# Altium PCB PCB1.PcbDoc (part 1 of 2)
Units mil, origin at the board's own origin, x right, y up, seen from the top; angles counter-clockwise.
Board outline 3937.01 x 3937.01 mil, 4 copper layers (Top Layer, Layer 1, Layer 2, Bottom Layer), stack 23.756 mil thick; 233 components, 112 nets, 705 pads, 549 vias.
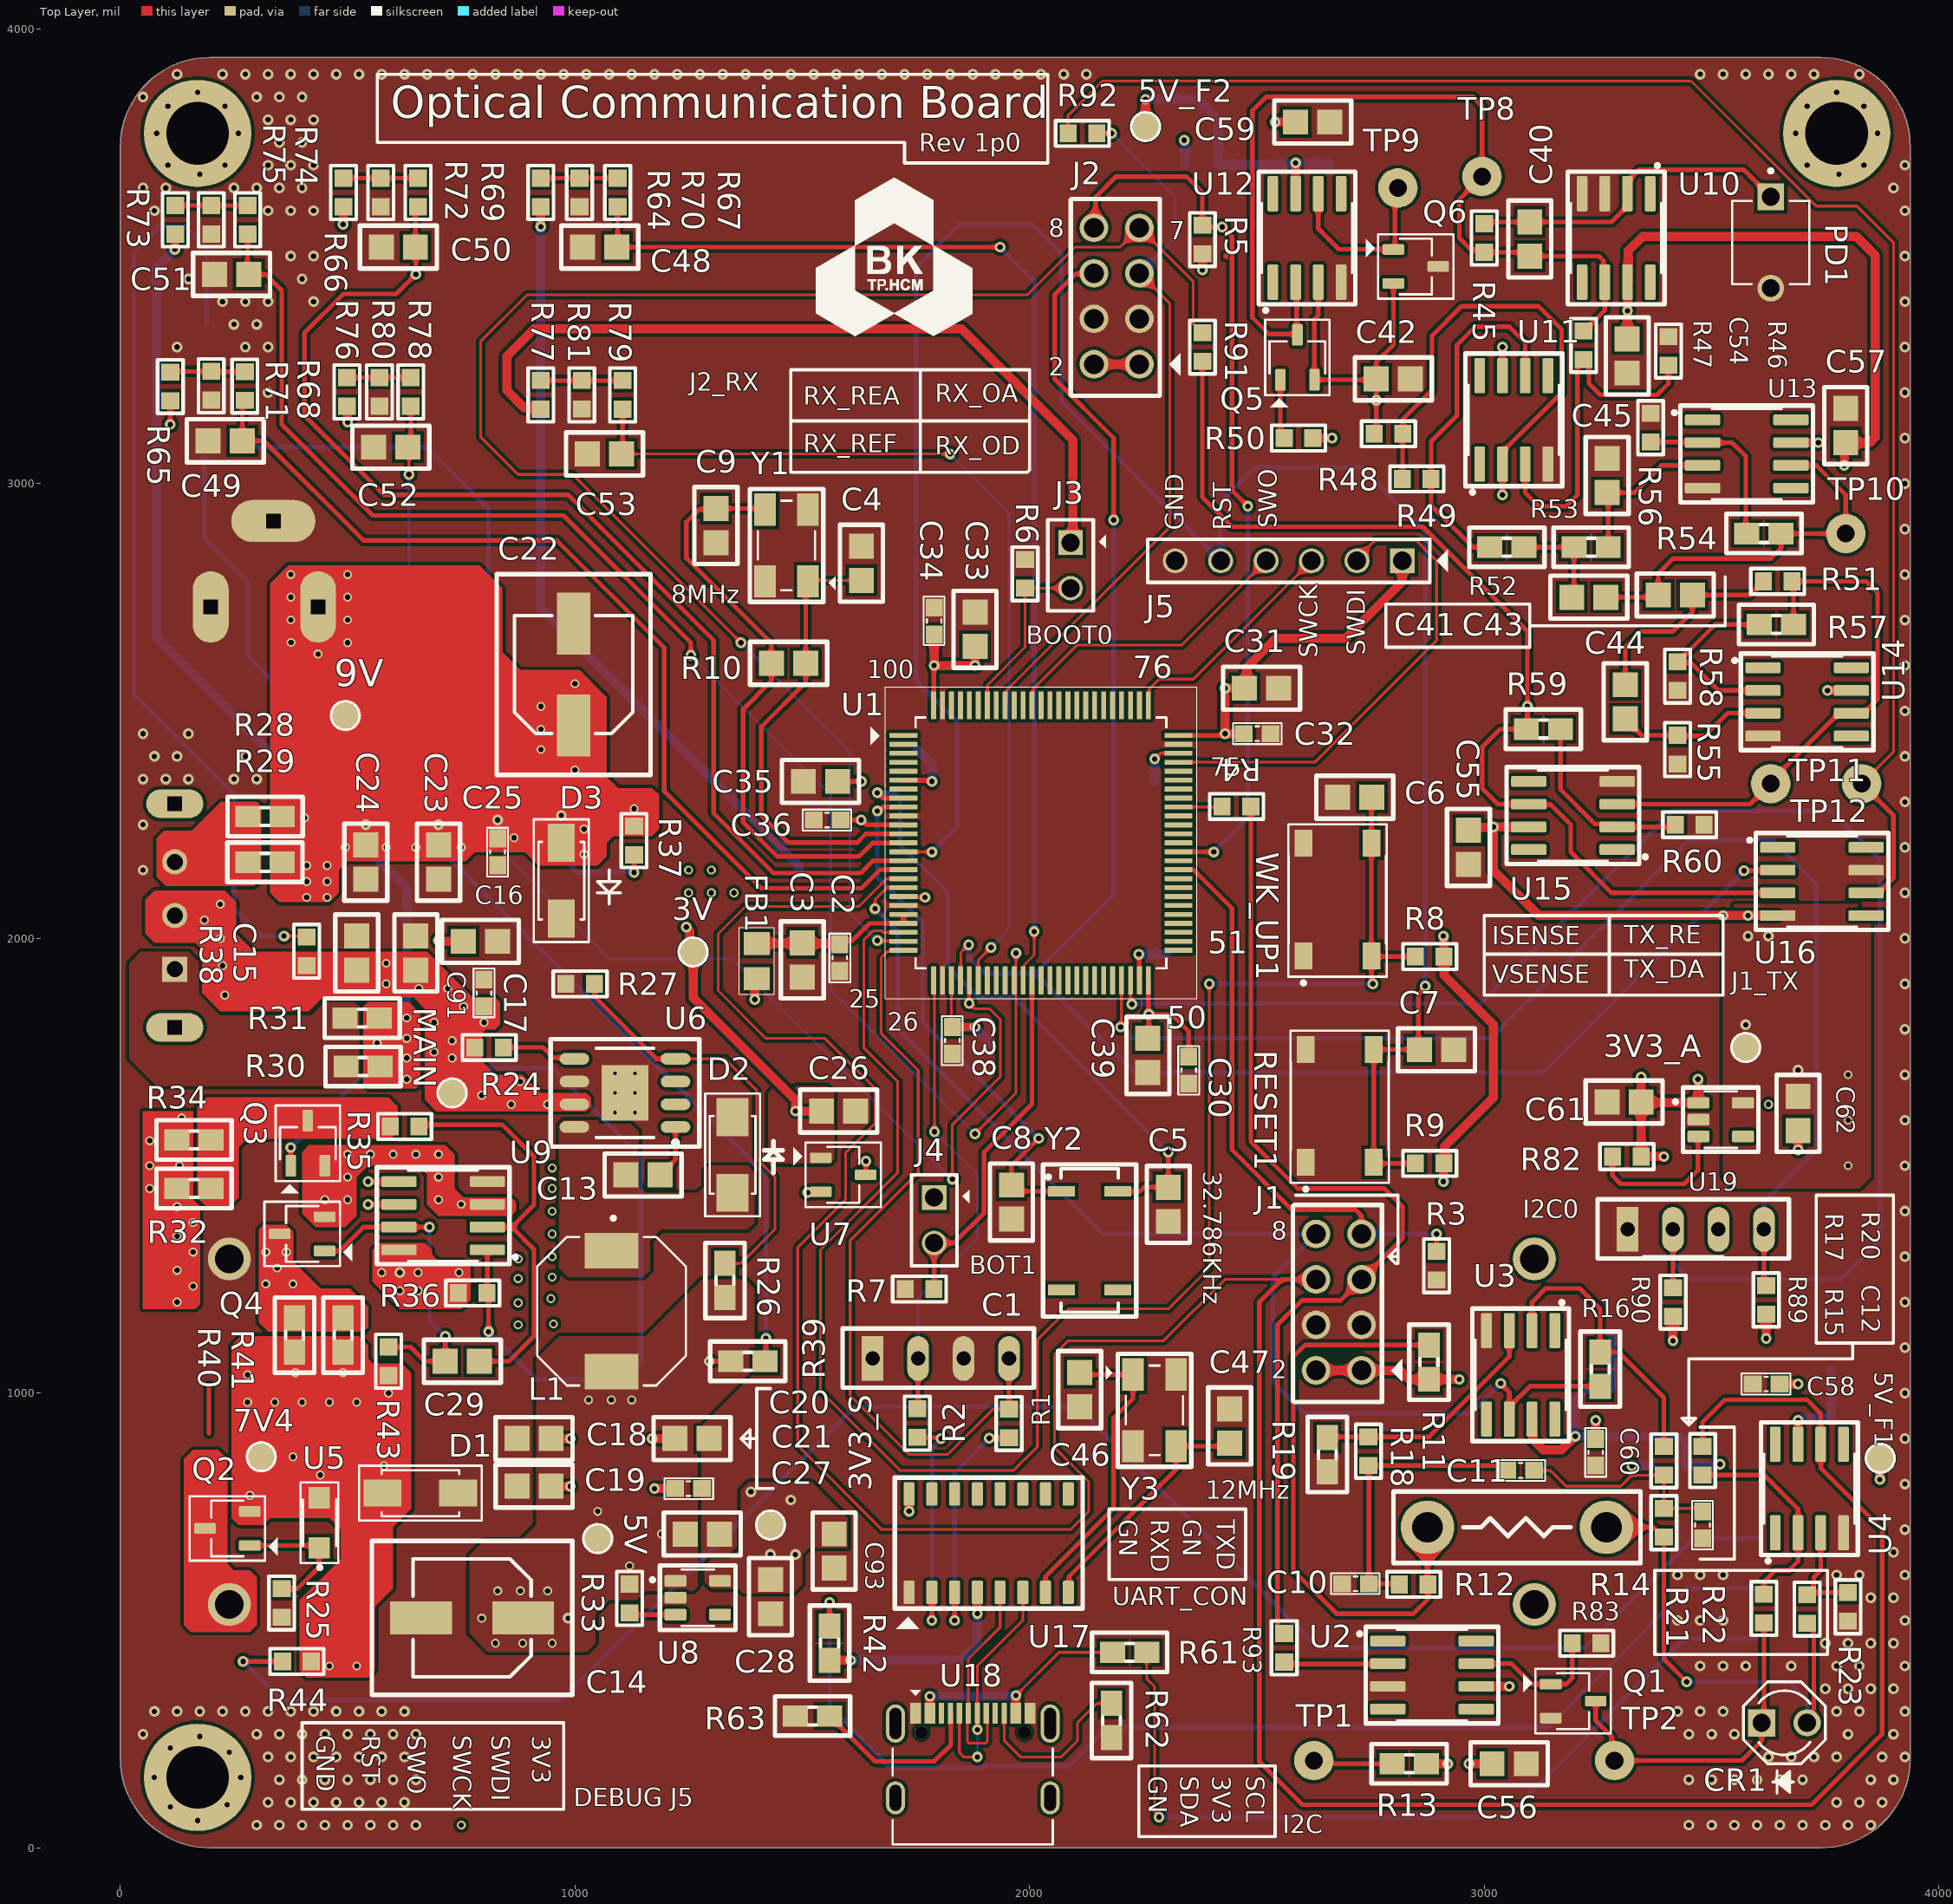
[diagram p0: Top Layer view]
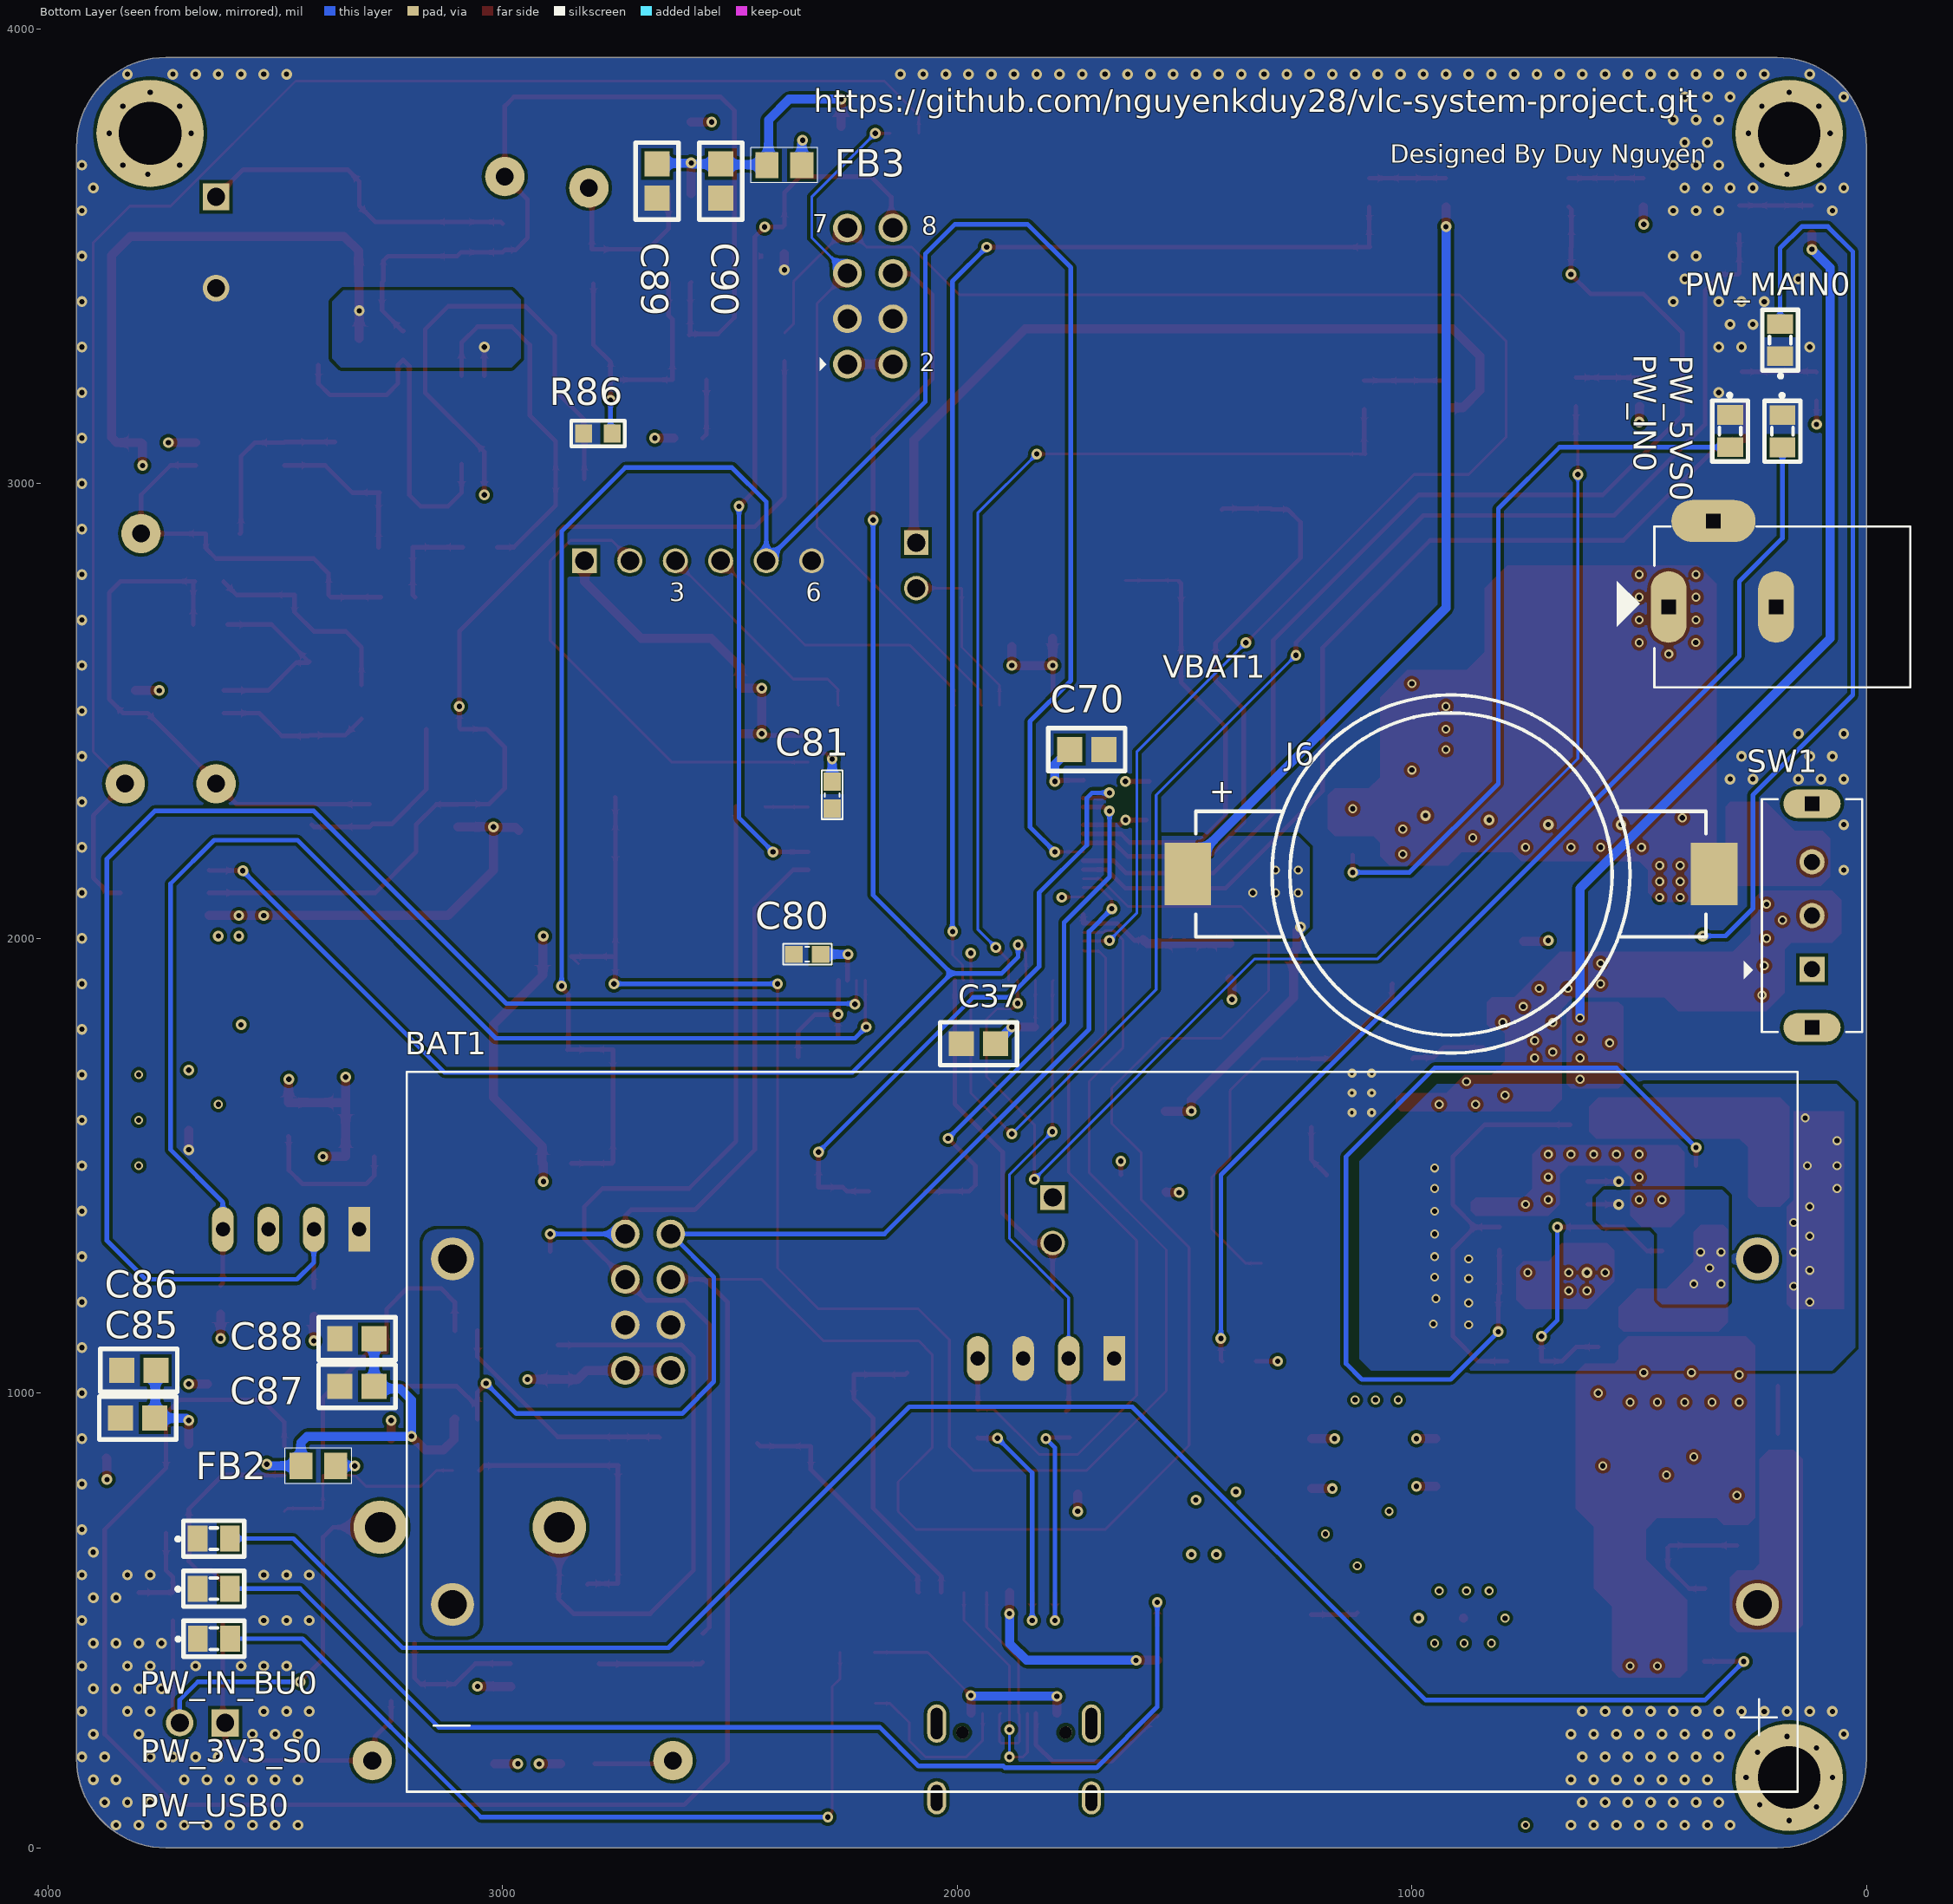
[diagram p1: Bottom Layer view, seen from below]
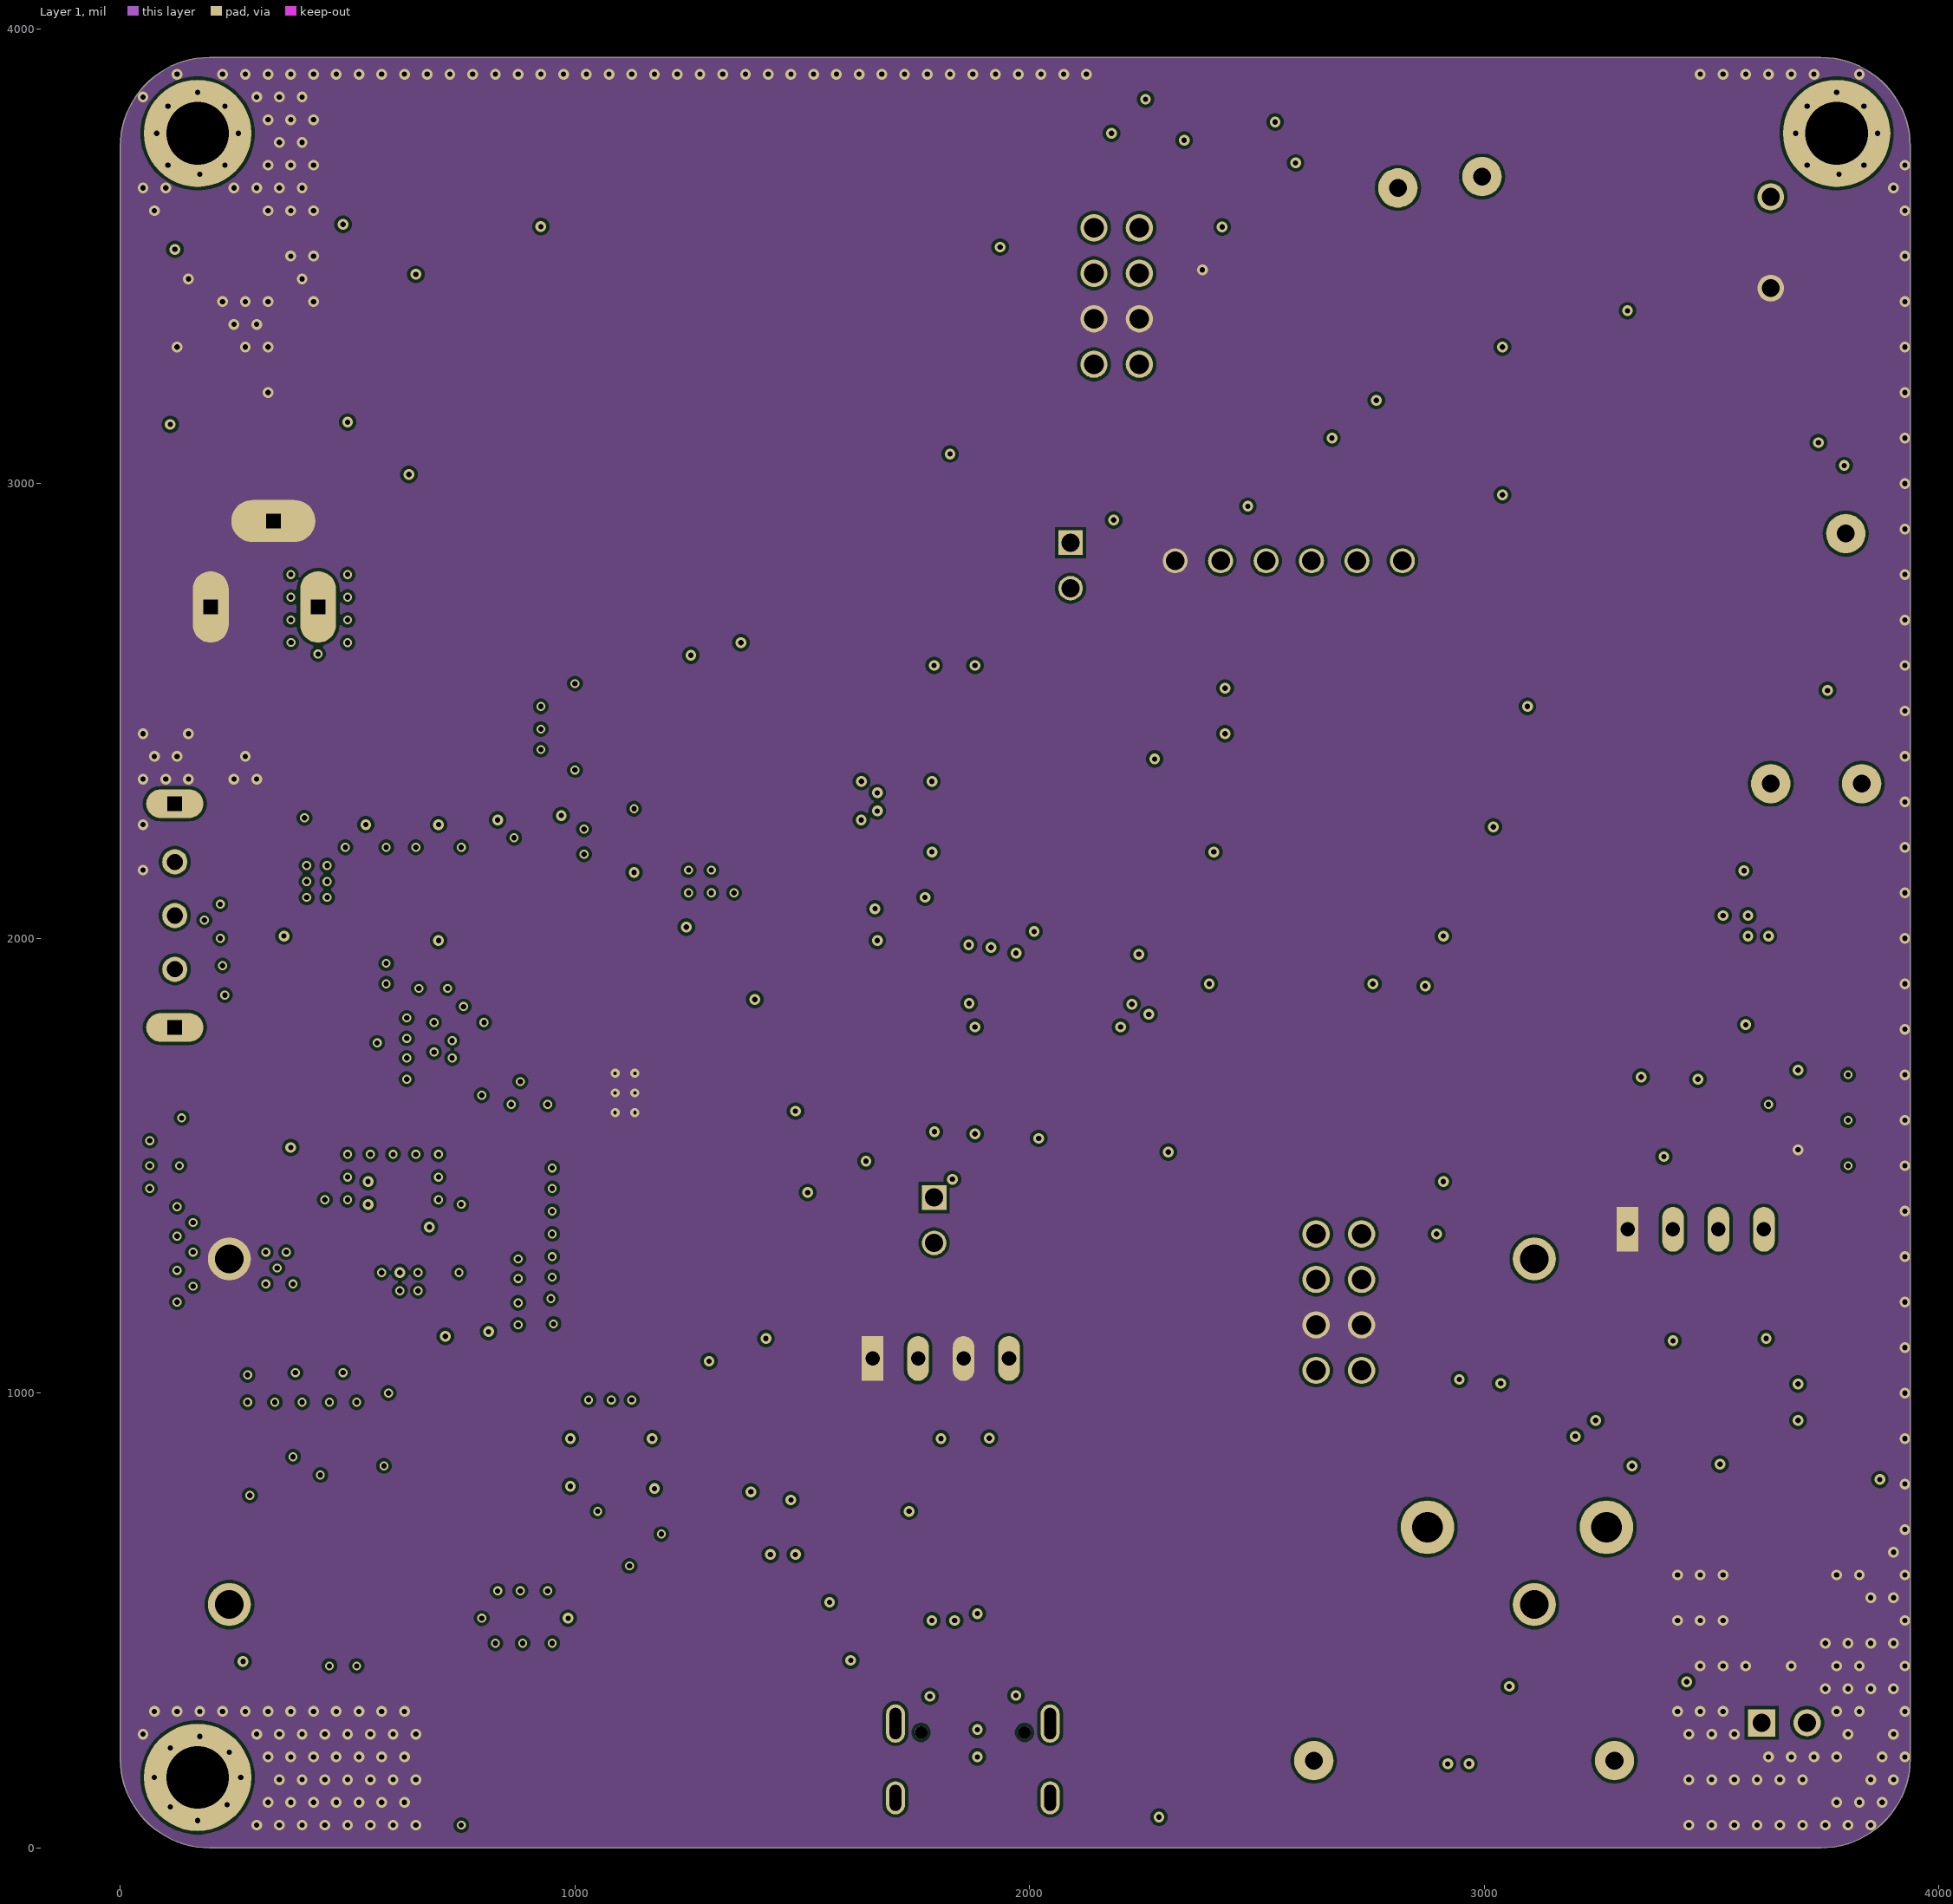
[diagram p2: Layer 1]
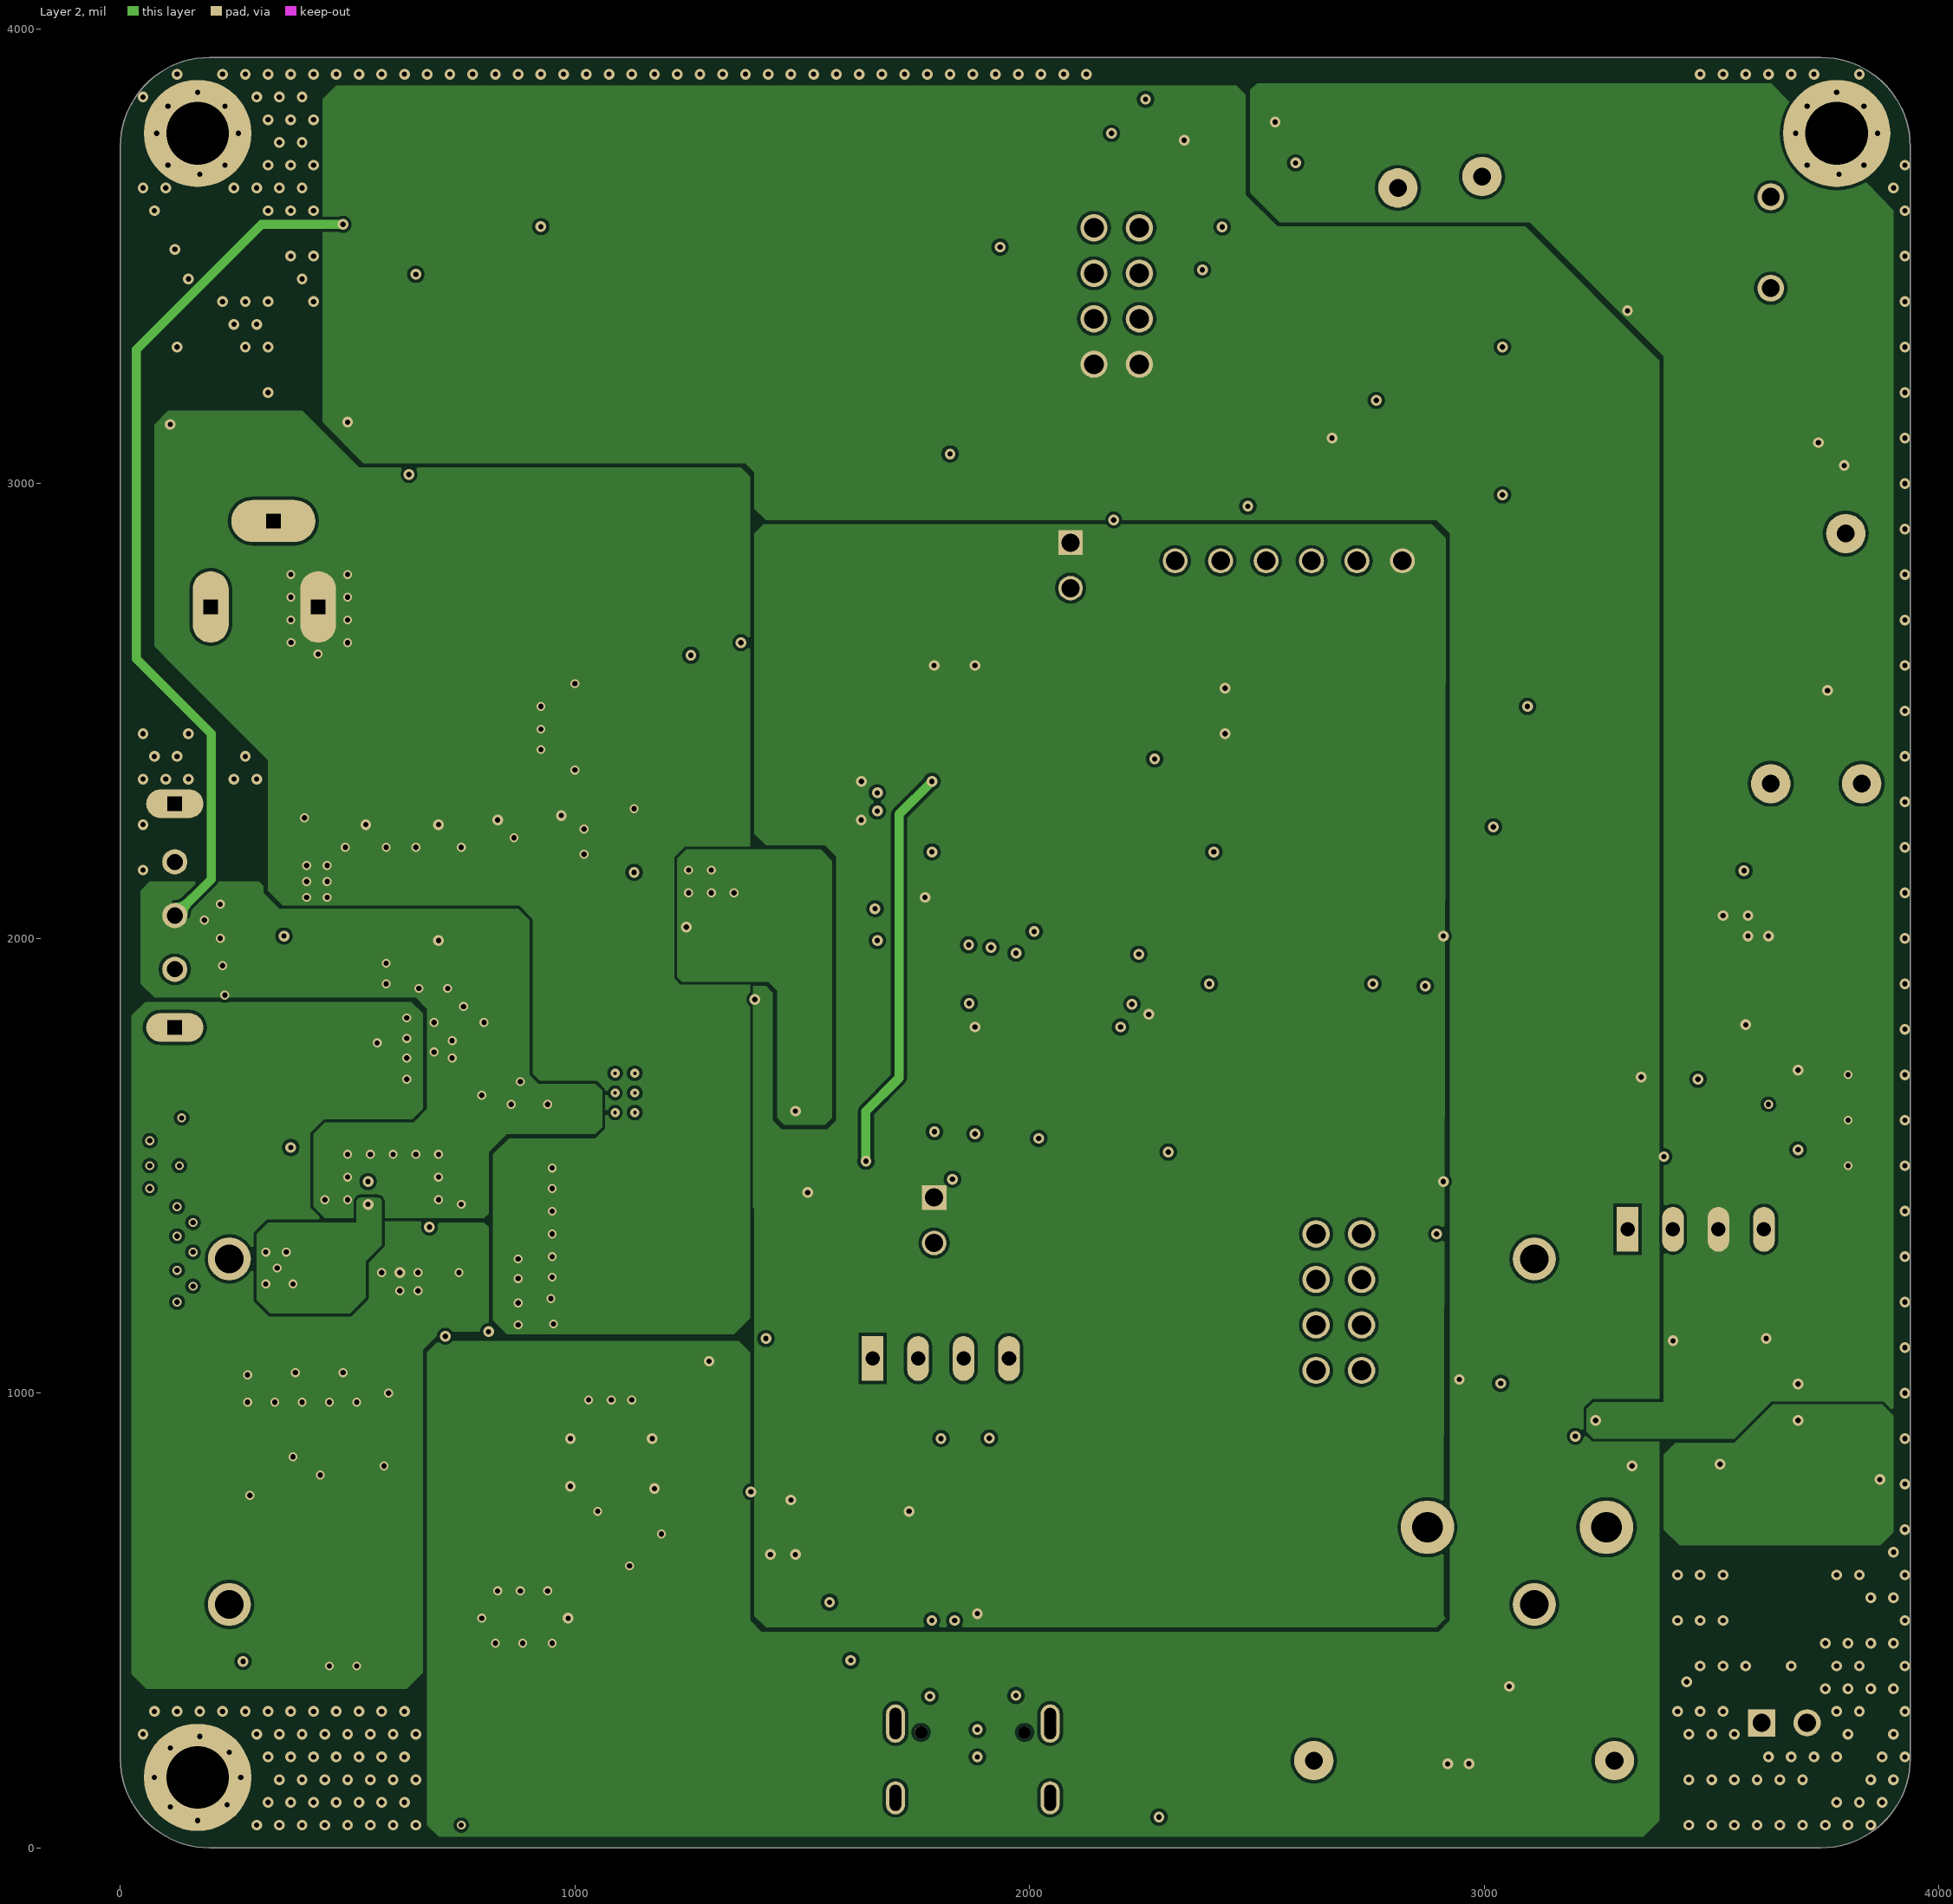
[diagram p3: Layer 2]
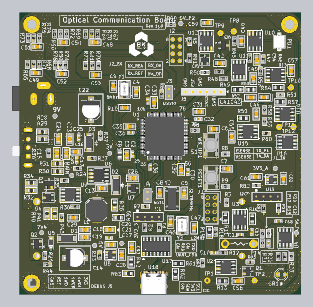
[diagram p5: 3D render of the assembled board from above, using the file's embedded part models]
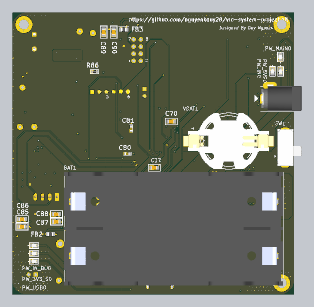
[diagram p6: 3D render of the assembled board from below, using the file's embedded part models]

## Layer stack, top to bottom
Top Solder: solder mask 0.4, Solder Resist, Dk 3.5
Top Layer: signal copper 1.4
Dielectric 2: prepreg 2.8, PP-006, Dk 4.1
Layer 1: signal copper 1.378
Dielectric 1: dielectric 12.6, FR-4, Dk 4.8
Layer 2: signal copper 1.378
Dielectric 3: prepreg 2.8, PP-006, Dk 4.1
Bottom Layer: signal copper 1.4
Bottom Solder: solder mask 0.4, Solder Resist, Dk 3.5

## Board outline
3740.16,0 ccw(c3740.16,196.85) 3937.01,196.85 3937.01,3740.16 ccw(c3740.16,3740.16) 3740.16,3937.01 196.85,3937.01 ccw(c196.85,3740.16) 0,3740.16 0,196.85 ccw(c196.85,196.85) 196.85,0

## Design rules (kind name [scope] priority, off if disabled: settings)
Clearance [All] p1: gap=7 ignorepadtopadclearanceinfootprint=FALSE
DiffPairsRouting [All] p1: maxlimit=10 minlimit=7 mostfreqgap=7 toplayer_minwidth=6 toplayer_maxwidth=15 toplayer_prefwidth=10 midlayer1_minwidth=6 midlayer1_maxwidth=15 midlayer1_prefwidth=10 midlayer2_minwidth=6 midlayer2_maxwidth=15 midlayer2_prefwidth=10 bottomlayer_minwidth=6 bottomlayer_maxwidth=15 bottomlayer_prefwidth=10 maxuncoupledlength=500
HoleSize [IsVia] p1: absolutevalues=TRUE maxlimit=100 minlimit=1 maxpercent=80.000 minpercent=20.000
PolygonConnect PolygonConnect_3 [All vs IsNamedPolygon('NETC10_2_L01_P002')] p1: thpad.connectstyle=Direct thpad.reliefconductorwidth=10 thpad.reliefentries=4 thpad.polygonreliefangle="90 Angle" thpad.airgapwidth=10 smdpad.connectstyle=Direct smdpad.reliefconductorwidth=10 smdpad.reliefentries=4 smdpad.polygonreliefangle="90 Angle" smdpad.airgapwidth=10 via.connectstyle=Relief via.reliefconductorwidth=10 via.reliefentries=4 via.polygonreliefangle="90 Angle" via.airgapwidth=10
PolygonConnect PolygonConnect_2 [All vs IsNamedPolygon('NETC10_2_L01_P002')] p2: thpad.connectstyle=Direct thpad.reliefconductorwidth=10 thpad.reliefentries=4 thpad.polygonreliefangle="90 Angle" thpad.airgapwidth=10 smdpad.connectstyle=Direct smdpad.reliefconductorwidth=10 smdpad.reliefentries=4 smdpad.polygonreliefangle="90 Angle" smdpad.airgapwidth=10 via.connectstyle=Relief via.reliefconductorwidth=10 via.reliefentries=4 via.polygonreliefangle="90 Angle" via.airgapwidth=10
PolygonConnect PolygonConnect_1 [All vs IsNamedPolygon('PWR_BU_R_L01_P005')] p3: thpad.connectstyle=Direct thpad.reliefconductorwidth=10 thpad.reliefentries=4 thpad.polygonreliefangle="90 Angle" thpad.airgapwidth=10 smdpad.connectstyle=Direct smdpad.reliefconductorwidth=10 smdpad.reliefentries=4 smdpad.polygonreliefangle="90 Angle" smdpad.airgapwidth=10 via.connectstyle=Relief via.reliefconductorwidth=10 via.reliefentries=4 via.polygonreliefangle="90 Angle" via.airgapwidth=10
PolygonConnect [All] p4: connectstyle=Direct reliefconductorwidth=10 reliefentries=4 polygonreliefangle="90 Angle" airgapwidth=10
RoutingVias [All] p1: holewidth=11.81 width=23.62 viastyle="Through Hole" minholewidth=11.81 minwidth=23.62 maxholewidth=11.81 maxwidth=23.62
SolderMaskExpansion [All] p1: expansion=4 istentingtop=FALSE
SupplyNets "Schematic Supply Nets_7" [InNet('PWR_OPA_TX')] p1: voltage=0.000
SupplyNets "Schematic Supply Nets_5" [InNet('PWR_OPA')] p2: voltage=0.000
SupplyNets "Schematic Supply Nets" [InNet('PWR_3V3_AFE')] p3: voltage=0.000
SupplyNets "Schematic Supply Nets_3" [InNet('PWR_5V_SYS')] p4: voltage=0.000
SupplyNets "Schematic Supply Nets_2" [InNet('GND')] p5: voltage=0.000
SupplyNets "Schematic Supply Nets_12" [InNet('PWR_USB')] p6: voltage=0.000
SupplyNets "Schematic Supply Nets_11" [InNet('VBAT_BU')] p7: voltage=0.000
SupplyNets "Schematic Supply Nets_10" [InNet('PWR_BU')] p8: voltage=0.000
SupplyNets "Schematic Supply Nets_8" [InNet('PWR_MAIN')] p9: voltage=0.000
SupplyNets "Schematic Supply Nets_6" [InNet('PWR_MAIN_SYS')] p10: voltage=0.000
SupplyNets "Schematic Supply Nets_4" [InNet('PWR_3V3_SYS')] p11: voltage=0.000
SupplyNets "Schematic Supply Nets_1" [InNet('PWR_BU_3V')] p12: voltage=0.000
Width [All] p1: maxlimit=20 minlimit=6 preferedwidth=10
28 further rules are at their usual default settings.

## Classes and differential pairs
component class PWR_AFE: 3V3_A 5V_F1 5V_F2 C61 C62 C85 C86 C87 C88 C89 C90 C93 FB2 FB3 R82 U19
component class VOLTAGE_MONITOR: C48 C49 C50 C51 C52 C53 C54 C55 C56 C57 C58 C59 C60 R64 R65 R66 R67 R68 R69 R70 R71 R72 R73 R74 R75 R76 R77 R78 R79 R80 R81
component class Receiver_VLC: C40 C41 C42 C43 C44 C45 PD1 Q5 Q6 R45 R46 R47 R48 R49 R50 R51 R52 R53 R54 R55 R56 R57 R58 R59 R60 R86 TP8 TP9 TP10 TP11 TP12 U10 U11 U12 U13 U14 U15 U16 U?
component class Transmitter_MD: C10 C11 C12 CR1 Q1 R11 R12 R13 R14 R15 R16 R17 R18 R19 R20 R21 R22 R23 R83 TP1 TP2 U2 U3 U4
component class "UART TO USB LOG": C46 C47 PW_USB0 R61 R62 R63 U17 U18 Y3
component class "PW SUPPLY": 3V 3V3_S 5V 7V4 9V BAT1 C13 C14 C15 C16 C17 C18 C19 C20 C21 C22 C23 C24 C25 C26 C27 C28 C29 C30 C31 C32 C33 C34 C35 C36 C37 C38 C39 C70 C91 D1 D2 D3 J6 L1 MAIN PW_3V3_S0 PW_5VS0 PW_IN0 PW_IN_BU0 PW_MAIN0 Q2 Q3 Q4 R24 R25 R26 R27 R28 R29 R30 R31 R32 R33 R34 R35 R36 R37 R38 R39 R40 R41 R42 R43 R44 SW1 U5 U6 U7 U8 U9 VBAT1
component class "MCU INTERFACE": C1 C2 C3 C4 C5 C6 C7 C8 C9 C80 C81 FB1 I2C0 J1 J2 J3 J4 J5 R1 R2 R3 R4 R5 R6 R7 R8 R9 R10 R89 R90 R91 R92 R93 RESET1 U1 WK_UP1 Y1 Y2
differential pair USB: +USB_P -USB_N
